# Altium PCB WhiteRHINO_0v1.PcbDoc (part 1 of 10) (continued)
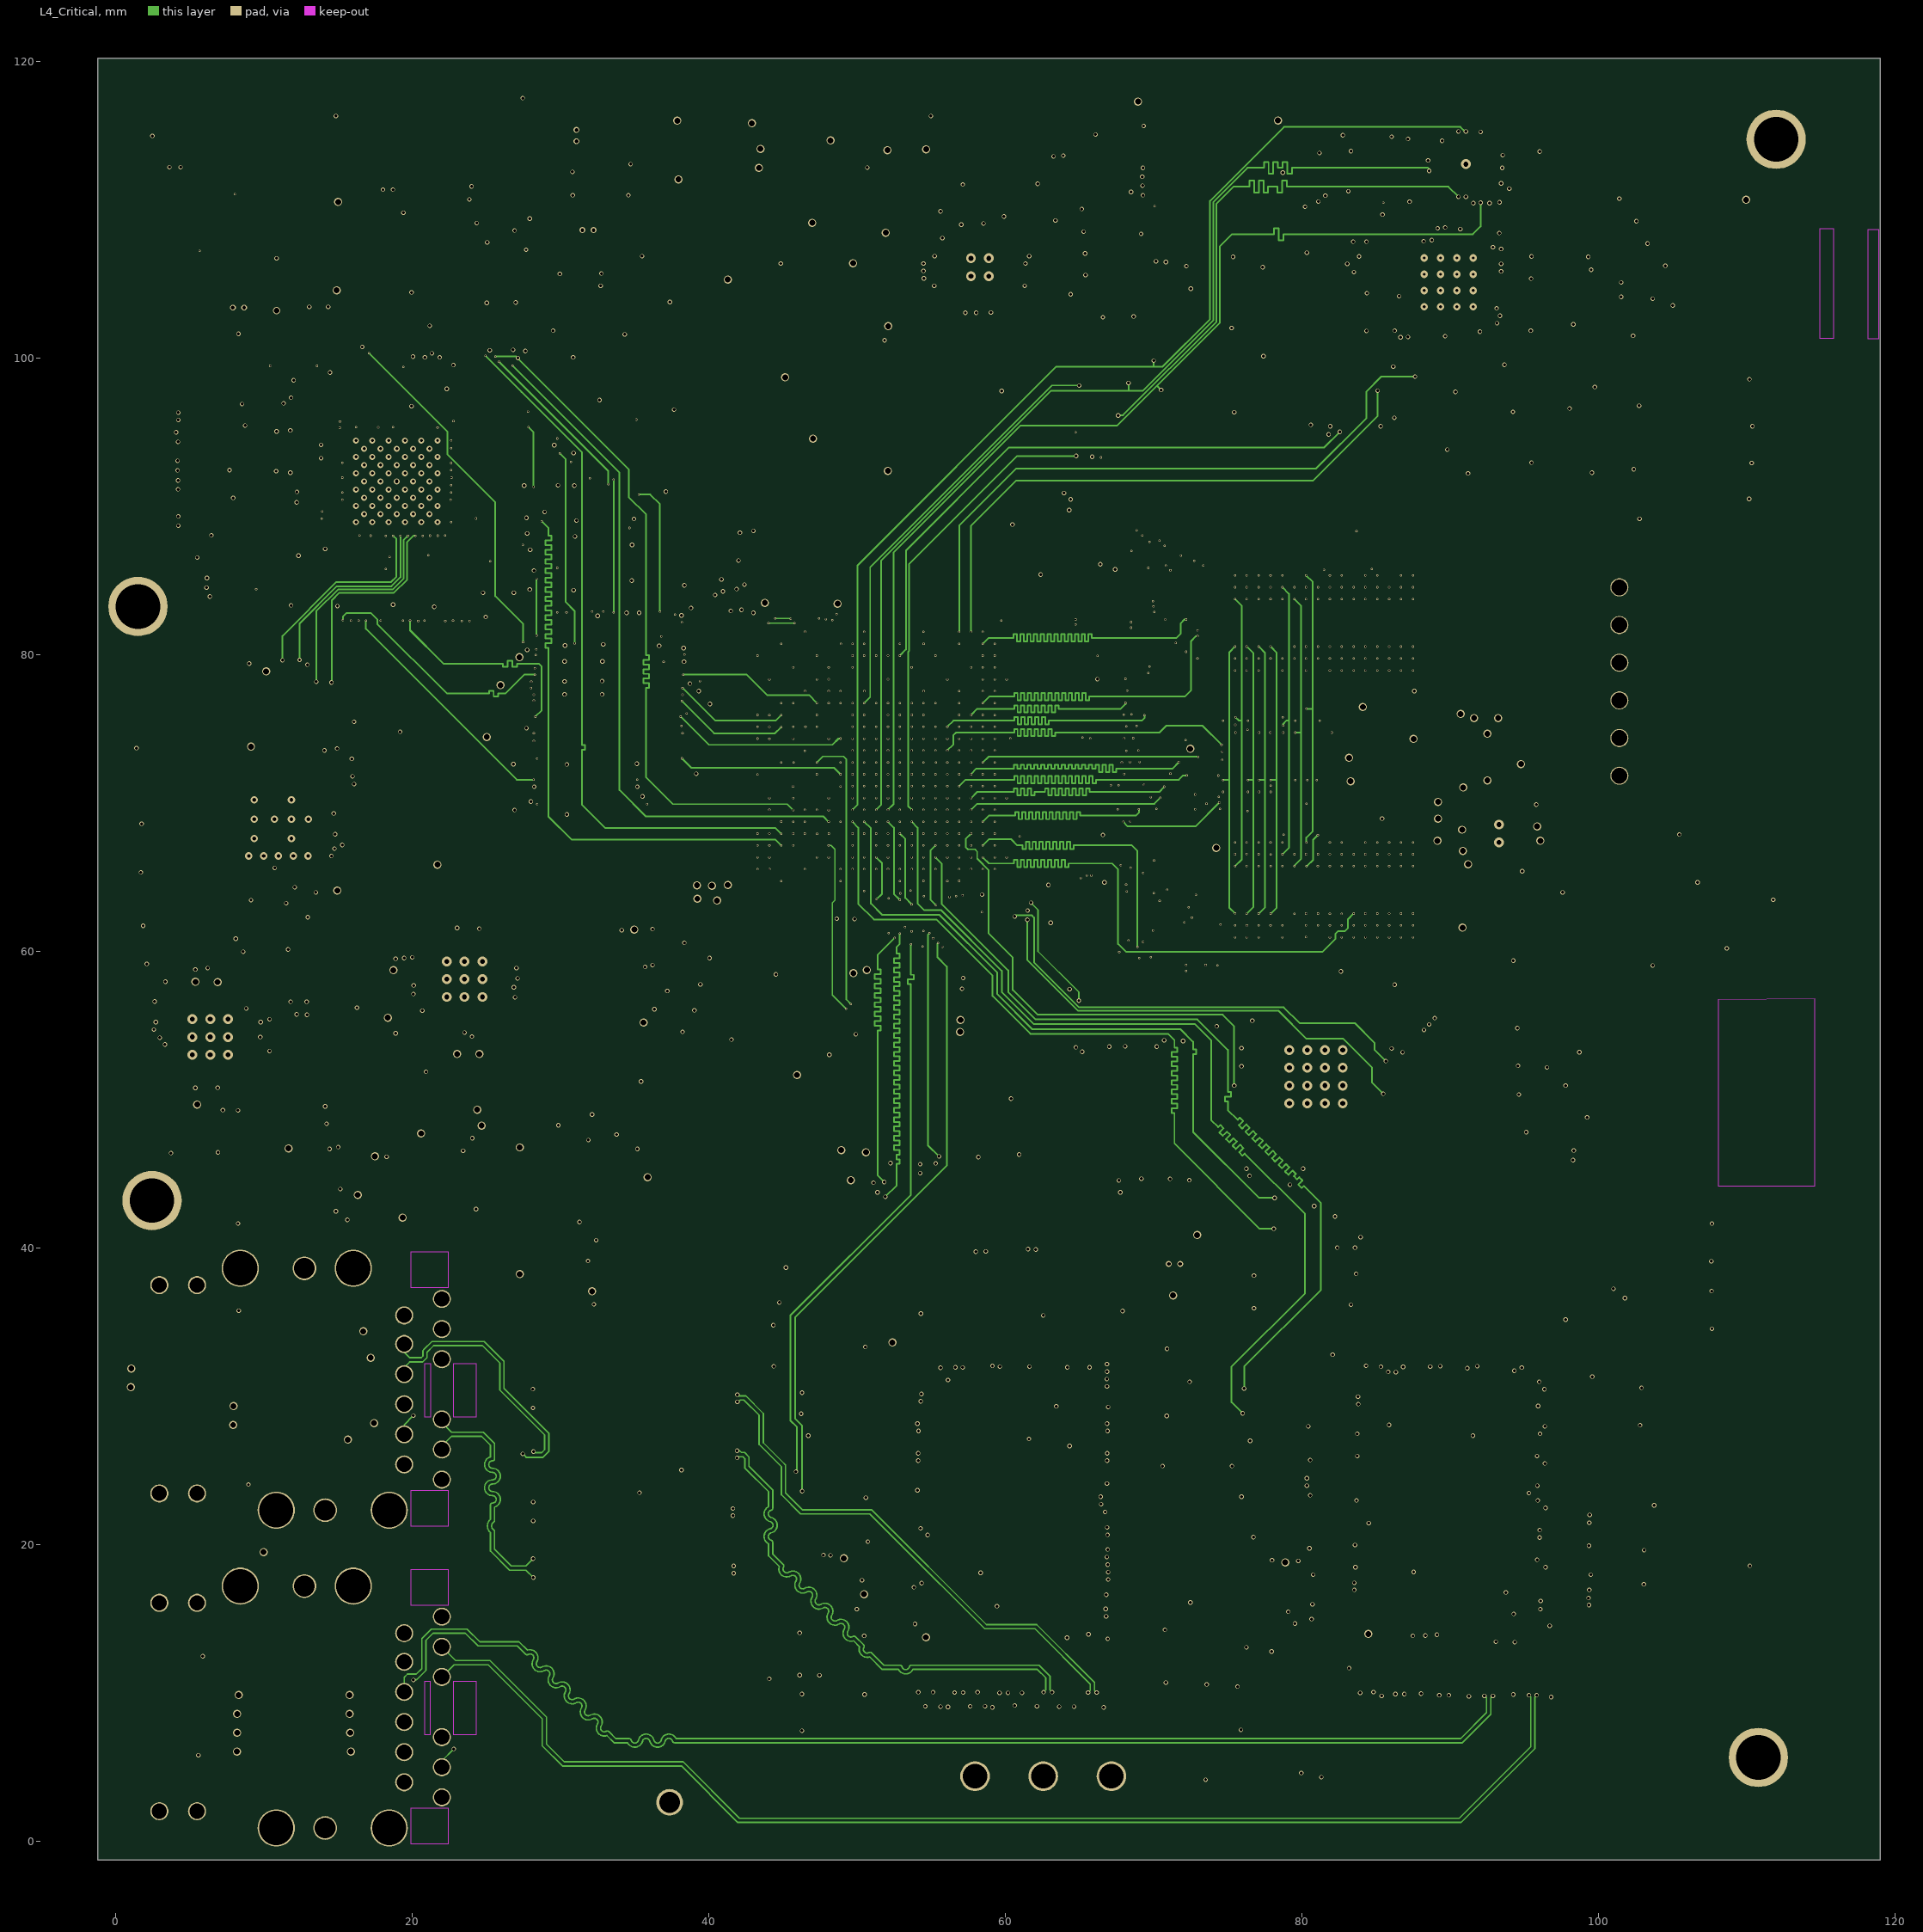
[diagram p4: L4_Critical]
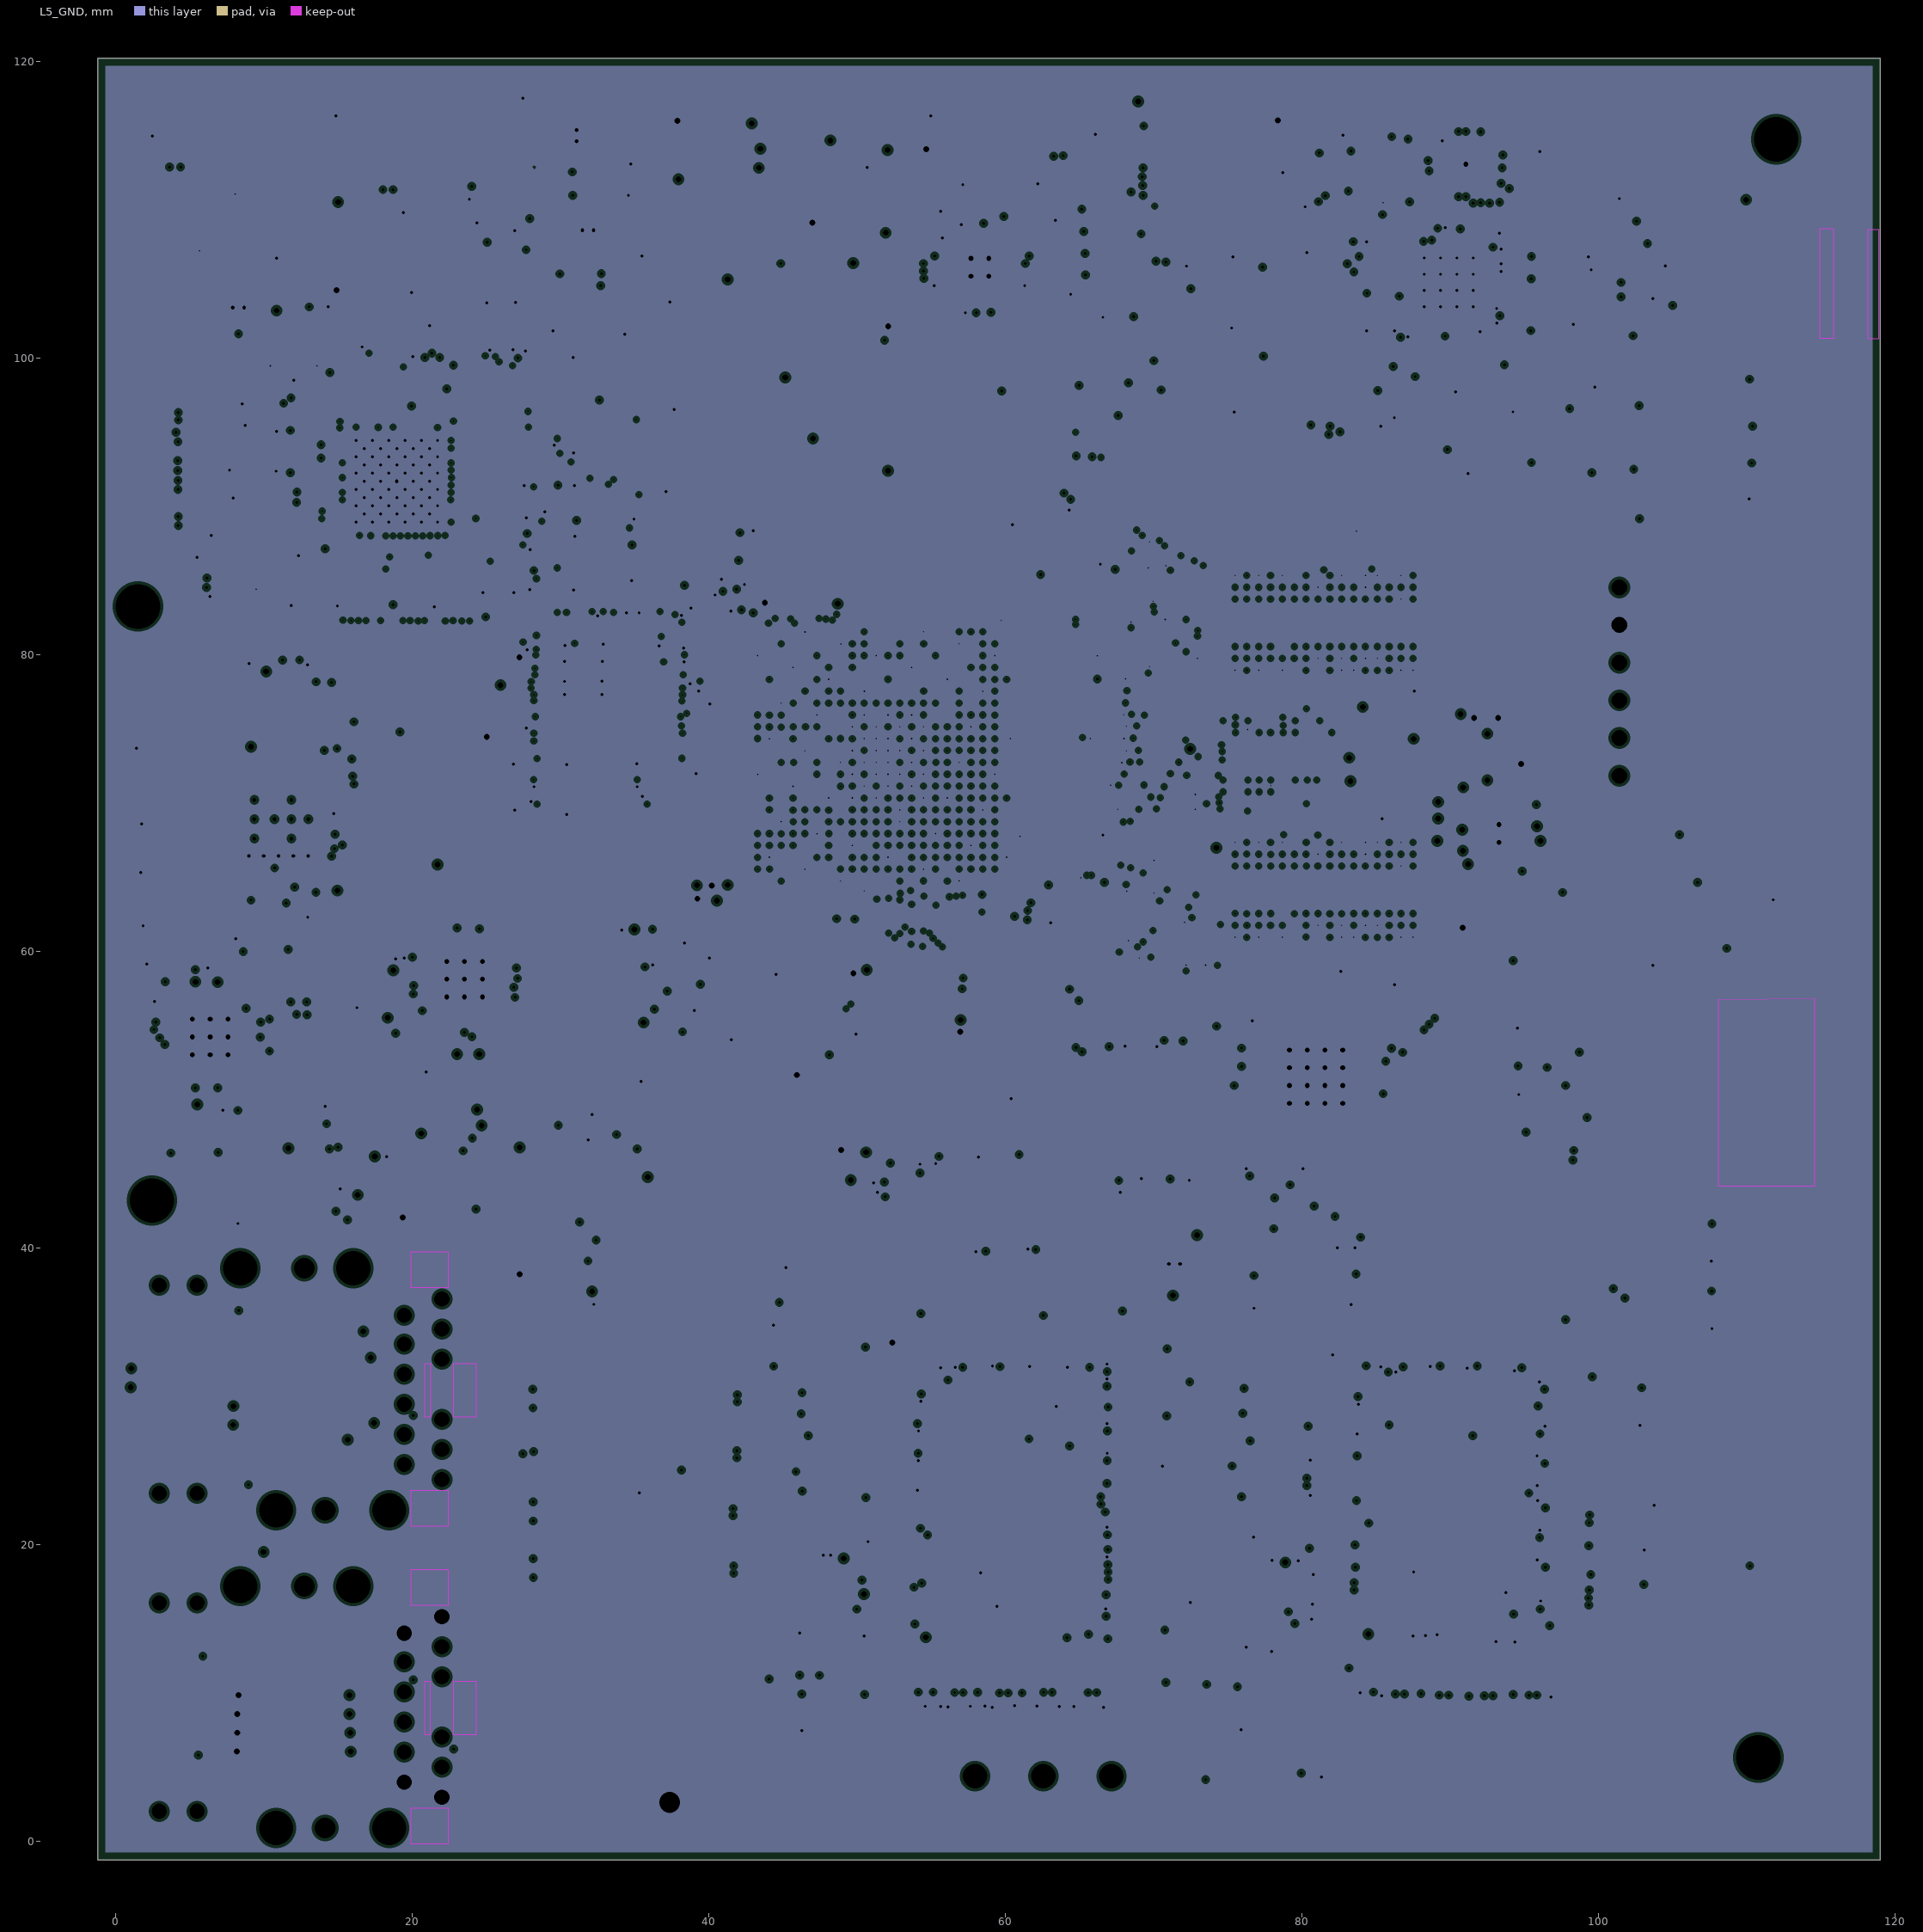
[diagram p5: L5_GND, clearances drawn from the general rule]
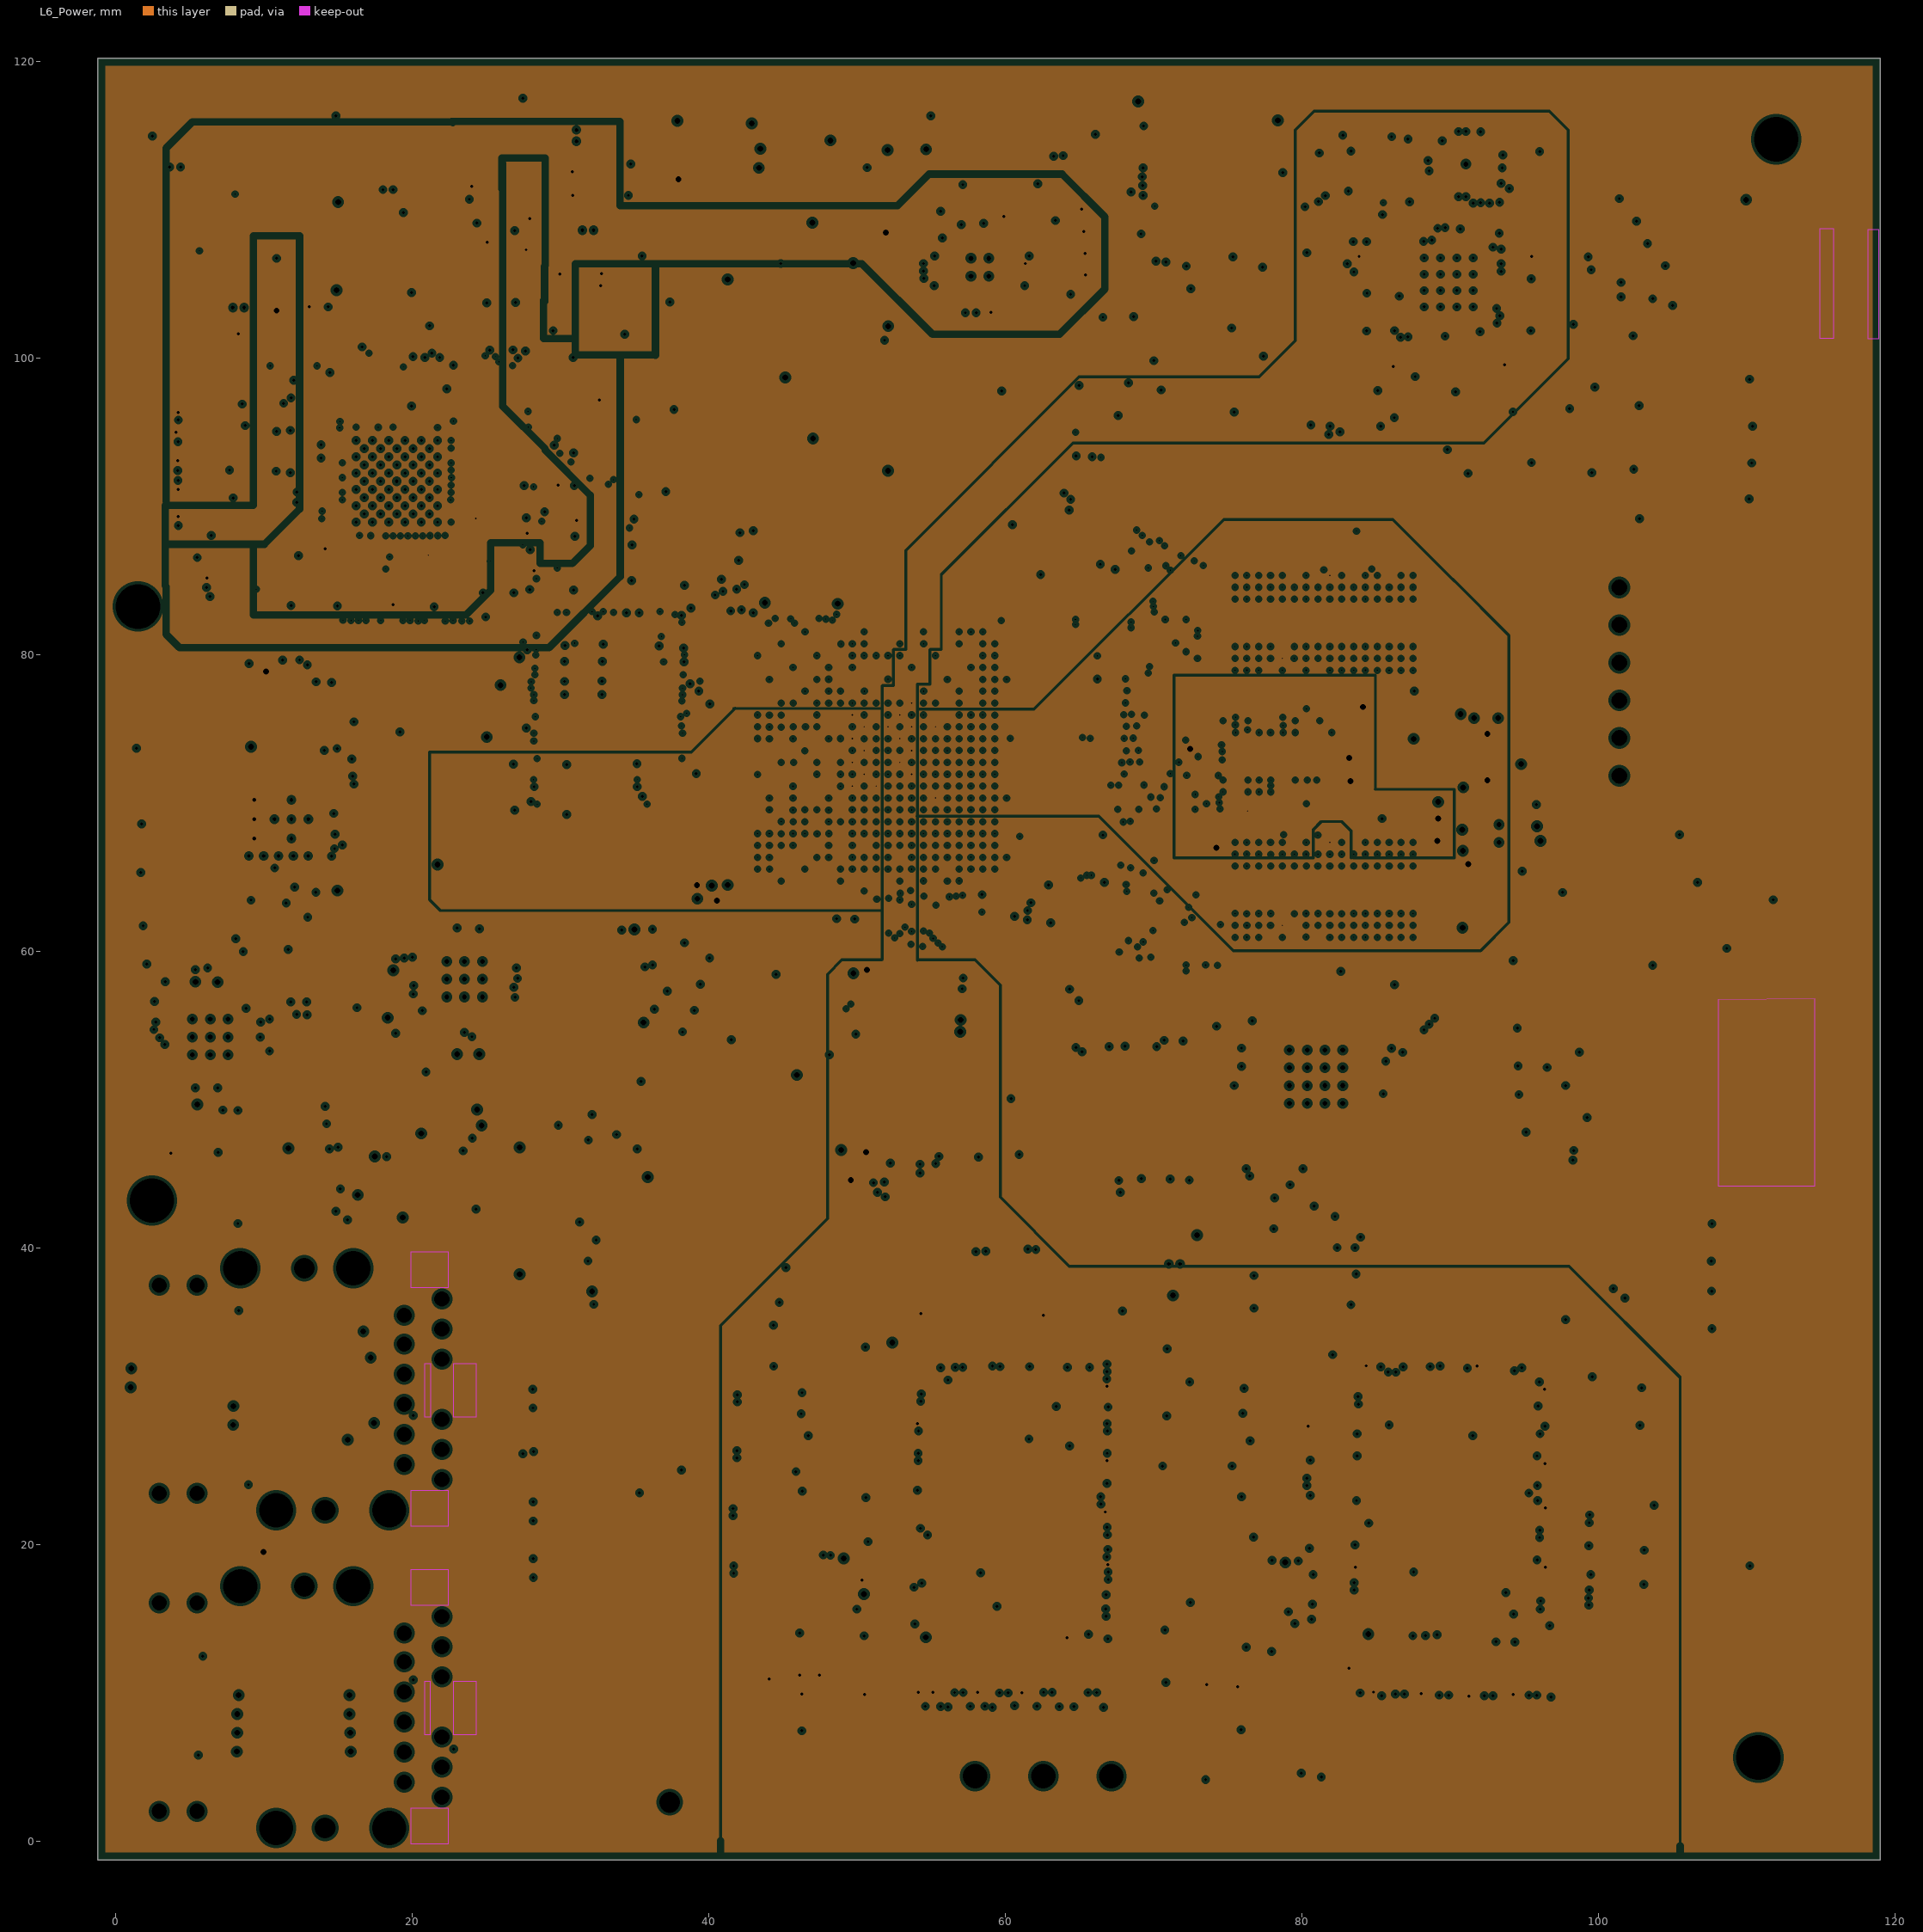
[diagram p6: L6_Power, clearances drawn from the general rule]
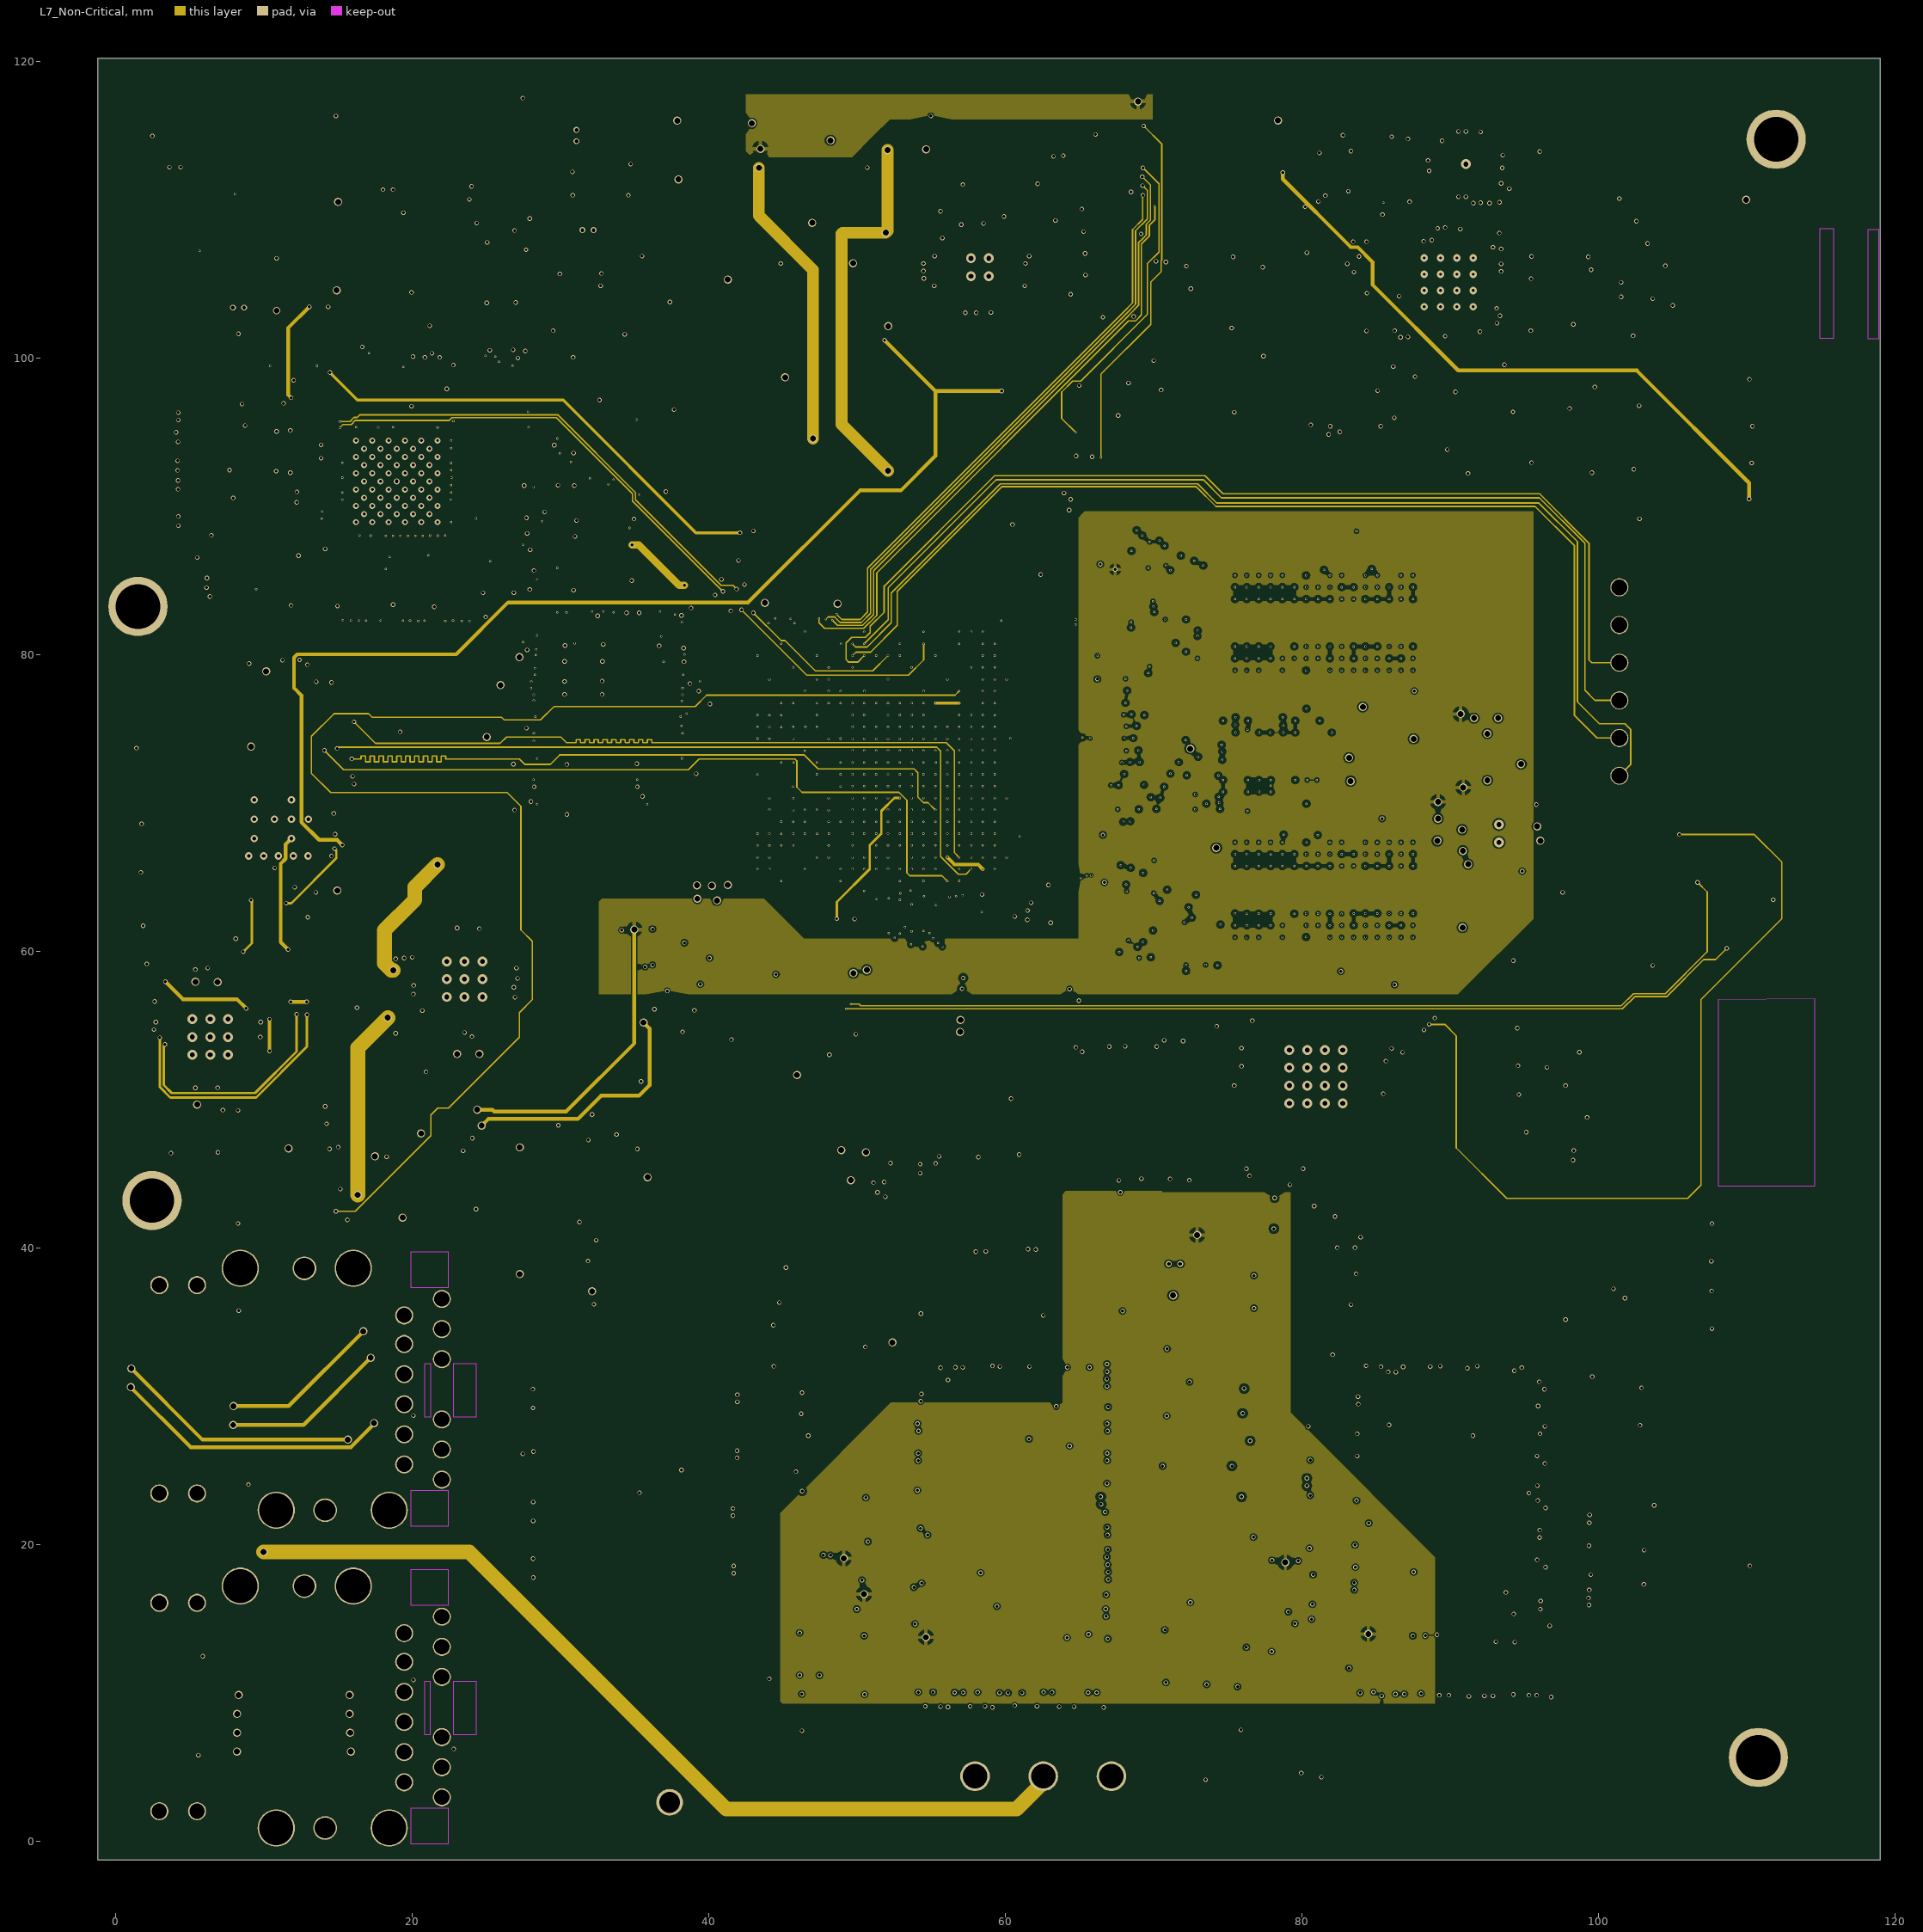
[diagram p7: L7_Non-Critical]